# KiCad board Modem.kicad_pcb (continued)
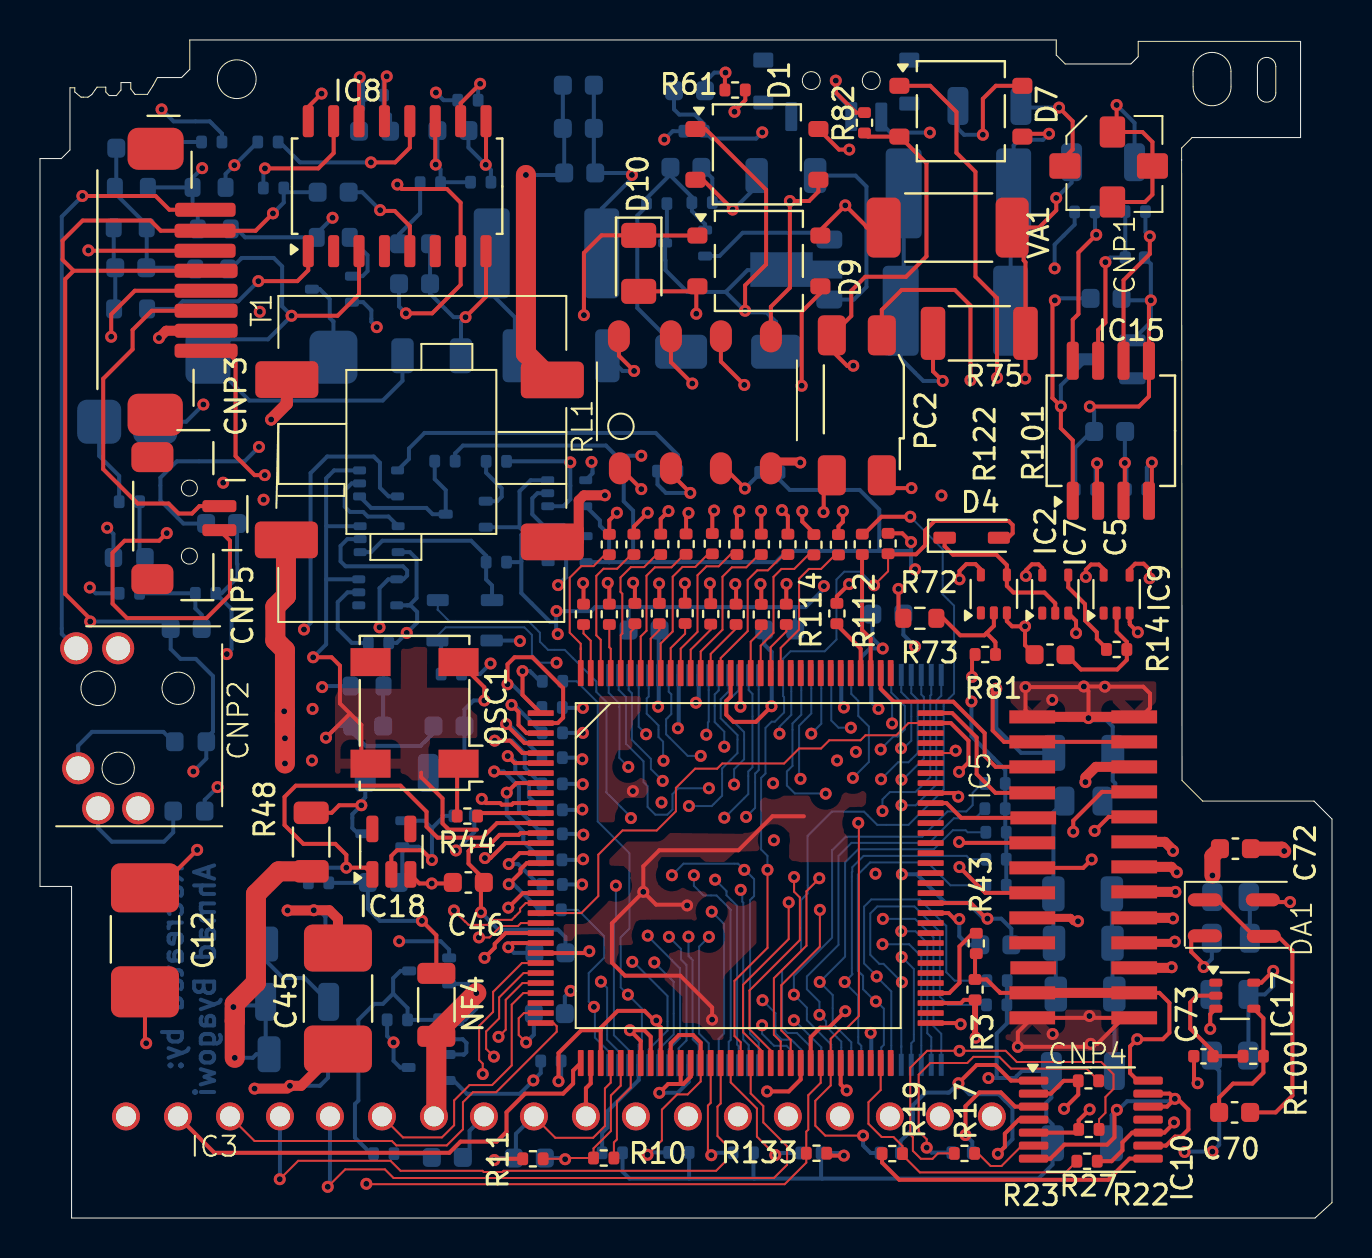
[diagram p0: board, top side]
## Nets
GND: C5.1 C23.1 C24.2 C28.1 C29.1 C30.2 C31.1 C37.2 C39#2.2 C46.1 C47.2 C48.1 C58.2 CNP3.8 CNP4.1 CNP4.13 CNP4.14 CNP4.26 IC2.3 IC4.3 IC5.10 IC5.14 IC5.19 IC5.24 IC5.43 IC5.44 IC5.76 IC5.112 IC6.3 IC7.3 IC9.3 IC10.1 IC10.4 IC10.7 IC10.9 IC10.12 IC10.13 IC11.9 IC12.24 IC13.3 IC14.3 IC16.3 IC18.3 NF4.2 OSC1.4 Q7.2 R2.1 R51.1 R67.1 R81.1
VCC_PC110: C28.2 C29.2 C30.1 CNP4.2 CNP4.25 D5.3 IC4.5 IC6.5 IC10.14 IC11.25 IC12.6 IC12.8 NF2.2 NF3.2 R3.2 R18.1 R21.1 R28.1 R29.1 R30.1 R31.1 R32.1 R36.1 R37.1 R38.1 R41.1 R43.1 R47.1 R48.2 R49.1 R72.1 R72#2.1 R90.1 R133.1
29F_A0: IC11.13 IC12.20 R111.1
29F_A1: IC11.14 IC12.19 R122.1
29F_A2: IC11.15 IC12.18 R110.1
29F_A3: IC11.16 IC12.17 R121.1
29F_A4: IC11.17 IC12.16 R109.1
29F_A5: IC11.18 IC12.15 R120.1
29F_A6: IC11.19 IC12.14 R108.1
29F_A8: IC11.30 IC12.3 R107.1
29F_A9: IC11.31 IC12.2 R118.1
29F_A10: IC11.2 IC12.31 R106.1
29F_A11: IC11.32 IC12.1 R117.1
29F_A12: IC11.21 IC12.12 R105.1
29F_A13: IC11.29 IC12.4 R116.1
29F_A14: IC11.28 IC12.11 R104.1
29F_A15: IC11.22 IC12.7 R115.1
29F_A16: IC11.23 IC12.10 R103.1
29F_A17: IC11.27 R114.1
29F_A18: IC11.24 R102.1
29F_CE#: IC11.3 R101.1
29F_DQ0: IC11.12 IC12.21 R28.2 R125.1
29F_DQ1: IC11.11 IC12.22 R29.2 R126.1
29F_DQ2: IC11.10 IC12.23 R30.2 R127.1
29F_DQ3: IC11.8 IC12.25 R31.2 R124#2.1
29F_DQ4: IC11.7 IC12.26 R32.2 R129.1
29F_DQ5: IC11.6 IC12.27 R36.2 R130.1
29F_DQ6: IC11.5 IC12.28 R37.2 R131.1
29F_DQ7: IC11.4 IC12.29 R38.2 R132.1
29F_OE#: IC11.1 IC12.32 R123.1
29F_WE#: IC11.26 IC12.5 R124.1
29FA7: IC11.20 IC12.13 R119.1
C32_1: C32.1 IC3.8
C32_2: C32.2 R76.1
C34_1: C34.1
C39_1: C39.1 R60.2
C40_2: C40.2 R62.2
C51_1: C51.1 R70.1 R71.2
C52_2: C52.2 C54.1 C56.1 D6.1 D7.2 IC15.5 PC2.3 R42.2 R82.1
C70_1: C70.1 IC17.4 R100.1
C70_2: C70.2 DA1.1 DA1.4
C72_1: C72.1 IC3.12 R99.2
C74_1: C74.1 IC17.5 R98.1
CNP2_2: CNP2.2 CNP3.3
CNP2_3: CNP2.3 L4.2
CNP3_1: CNP2.4 CNP3.1
CNP3_5: CNP3.5 R78.2
CNP3_MP1|CNP3_MP2: CNP3.MP
CNP5_1: CNP5.1 SW2.3
CNP5_2: CNP3.6 CNP5.2
CNP5_MP1|CNP5_MP2: CNP5.MP
D1_1: D1.1 D2.1 Q1.3 Q2.2 R20.1
D1_2: C15.1 D1.2 R7.2 R9.1
D2_2: C15.2 D2.2 Q1.1 R9.2 R20.2
D4_1: D4.1 IC2.4 IC7.2
D6_2: D6.2
D7_1: C54.2 D6.3 D7.1 IC15.1
D7_3: C59.1 C60.1 D7.3
DA1_2: C71.1 DA1.2 R99.1
FDC_CTS1#: CNP4.8 IC10.5 R23.2
FDC_DCD1_PC110: CNP4.4 IC5.65
FDC_DIR1#_PC110: CNP4.6 IC5.54
FDC_DSR1_PC110: CNP4.7 IC5.51
FDC_RI1_PC110: CNP4.5 IC10.2 R22.2
FDC_RTS1#_PC110: CNP4.9 IC5.53
FDC_RXD1_PC110: CNP4.10 IC5.52
FDC_TXD1_PC110: CNP4.11 IC9.4
IC2_1: IC2.1
IC3_15: IC3.15 T1.3
IC4_1: IC4.1
IC6_2: IC4.4 IC6.2
IC7_1: IC7.1
IC7_4: IC7.4 R14.1
IC8_2: IC8.2
IC8_3: IC8.3 R55.2 R56.1 R57.1
IC8_4: IC8.4
IC8_5: C2#2.1 IC8.5
IC8_6: IC8.6
IC8_7: C43.2 IC8.7 R63.2
IC8_9: C41.1 IC8.9 R68.1
IC8_10: C42.2 IC8.10 R63.1
IC8_11: C41.2 IC8.11 R62.1 R68.2
IC8_12: IC8.12 R13.1
IC8_13: C38.1 IC8.13 R59.1 R60.1
IC8_14: C38.2 IC8.14 R59.2
IC8_15: C13.1 IC8.15 R4.2
IC8_16: C12.2 IC8.16 R13.2 R58.1 R70.2
IC9_1: IC9.1
IC9_2: C5.2 IC9.2 R14.2
IC10_6: IC10.6 R17.1
IC10_8: IC10.8 R19.2
IC10_11: IC10.11
IC12_3: IC12.30 R112.1
IC13_1: IC13.1
IC13_2: C37.1 IC13.2 R24.1 R25.2
IC13_4: D8.1 IC13.4 IC16.2
IC14_1: IC14.1 Q7.3 R90.2
IC14_4: IC14.4 R46.1
IC15_2: IC15.2 R42.1
IC15_3: C52.1 IC15.3 R77.2
IC15_4: IC15.4 R77.1
IC15_6: IC15.6 R15.1
IC15_7: C56.2 IC15.7 R15.2
IC15_8: C56#2.2 IC15.8 R68#2.1 R78.1
IC16_1: D3.1 IC16.1 R2.2
IC16_4: IC14.2 IC16.4
IC17_1: IC17.1
IC17_2: C73.2 IC17.2 R100.2
IC18_2: C58.1 D5.1 D5.2 IC18.2 R49.2
IC18_4: IC18.4
IC18_5: IC18.5
IREF2: C34.2 IC5.31
J13_41_PC110: CNP4.23
J13_42_PC110: CNP4.24
KM68_NC: IC12.9
L1_1: D1.4 D7.4 D9.4 L1.2 T1.1 VA1.1
L1_2: L2.2 R12.1 R75.2 RL1.6 RL1.8 VA1.2
L3_1: C42.1 L3.1 R71.1
L3_2: CNP2.1 L3.2
L4_1: L4.1 R65.1
L5_2: CNP2.5 L5.2
MN192_S11_BUF: CNP4.22 Q4.2 R52.2
MN195_A0: IC5.128 R111.2
MN195_A1: IC5.127 R122.2
MN195_A2: IC5.126 R110.2
MN195_A3: IC5.125 R121.2
MN195_A4: IC5.124 R109.2
MN195_A5: IC5.123 R120.2
MN195_A6: IC5.122 R108.2
MN195_A7: IC5.121 R119.2
MN195_A8: IC5.120 R107.2
MN195_A9: IC5.119 R118.2
MN195_A10: IC5.118 R106.2
MN195_A11: IC5.117 R117.2
MN195_A12: IC5.116 R105.2
MN195_A13: IC5.115 R116.2
MN195_A14: IC5.114 R104.2
MN195_A15: IC5.111 R115.2
MN195_A16: IC5.110 R103.2
MN195_A17: IC5.109 R114.2
MN195_A18: IC5.108 R102.2
MN195_A19: IC5.107
MN195_A20: IC5.106
MN195_A21: IC5.105
MN195_A22: IC5.104
MN195_A23: IC5.103
MN195_ADCK#: CNP4.21 IC5.21 IC5.95
MN195_AGCIN: IC3.18 IC5.28
MN195_AGCOUT: IC3.17 IC5.27
MN195_BA: IC5.18
MN195_CX: IC5.11 R44.1
MN195_DVDD1: C23.2 C39#2.1 C46.2 C47.1 C48.2 IC5.13 IC5.25 IC5.77 IC5.113 R26.1 R33.1 R34.1
MN195_EQMD#: IC5.20
MN195_EYCY#: IC5.22
MN195_HDRES#: IC5.12 IC18.1 R51.2
MN195_HPOUT: IC3.6 IC5.29
MN195_HVDD: IC3.2 IC5.33
MN195_IREF0: IC5.38 R10.1
MN195_IREF1: C2.1 IC5.37 R10.2 R11.1
MN195_IRQ1#: CNP4.20 IC5.67 R3.1
MN195_IRQ2#: IC5.68 R43.2
MN195_IRQ3#: IC5.69
MN195_IRQ4#: IC5.70
MN195_MD0: IC5.8 R125.2
MN195_MD1: IC5.7 R126.2
MN195_MD2: IC5.6 R127.2
MN195_MD3: IC5.5 R124#2.2
MN195_MD4: IC5.4 R129.2
MN195_MD5: IC5.3 R130.2
MN195_MD6: IC5.2 R131.2
MN195_MD7: IC5.1 R132.2
MN195_MOD1,3: IC5.42 IC5.45 R41.2
MN195_MOT: IC5.93
MN195_MTA1: IC3.11 IC5.92
MN195_MTA2: IC5.91
MN195_MTA3: IC5.90
MN195_MTA4: IC5.89
MN195_MTB1: IC5.81
MN195_MTB2: IC5.80
MN195_MTB3: IC5.79
MN195_MTB4: IC5.78
MN195_PLSD: IC3.1 IC5.23
MN195_RD#: IC5.16 R123.2
MN195_RNW: IC5.17
MN195_RXL: IC3.3 IC5.32
MN195_RXLPIN: IC5.30
MN195_S0: IC5.46 IC6.1 R21.2 R92.1
MN195_S1: IC3.4 IC5.47
MN195_S2: IC4.2 IC5.48 R47.2
MN195_S3: D4.2 IC5.49 R72.2
MN195_S4: IC3.5 IC5.50
MN195_S9: IC5.55 R16.2 R22.1
MN195_S10: IC5.56 R17.2 R23.1
MN195_S11: IC5.57 Q3.1 R133.2
MN195_S12: D3.2 IC5.58 R67.2
MN195_S13: D8.2 IC5.59 R72#2.2
MN195_S14: IC5.60
MN195_S15: IC5.61
MN195_SH1#: IC5.85
MN195_SH2#: IC5.84
MN195_SH3#: IC5.83
MN195_SH4#: IC5.82
MN195_SHIN: IC3.16 IC5.26
MN195_SYNCA: IC5.9
MN195_TXLPIN: C2.2 IC3.9 IC5.36 R11.2
MN195_TXOUT: IC3.10 IC5.34
MN195_U1RCK: IC5.64
MN195_U1RD#: IC5.63 R19.1 R27.2
MN195_U1RD#_R: CNP4.3 IC10.10 R27.1
MN195_U1ST#: IC5.62
MN195_U1TCK#: IC5.66
MN195_U2RCK#: IC5.73
MN195_U2RD#: IC5.72
MN195_U2SD#: IC5.74
MN195_U2ST#: IC5.71
MN195_U2TCK#: IC5.75
MN195_UC0#: IC5.99 R101.2
MN195_UC1: IC5.100 R112.2
MN195_UC2: IC5.101
MN195_UC3: IC5.102
MN195_V8CK#: IC5.94
MN195_VIR#: IC5.97
MN195_VPCK#: CNP4.18 IC5.87
MN195_VPDA#: CNP4.19 IC5.88
MN195_VPST: IC5.86
MN195_VREEH: C45.2 IC5.39 IC5.40 R35.2
MN195_VSDA#: CNP4.17 IC5.96
MN195_VSEN#: CNP4.16 IC5.98
MN195_WR#: IC5.15 R124.2
NF1_1: NF1.1 R35.1
NF2_1: NF2.1 R26.2 R33.2 R34.2
OSC1_1: OSC1.1 R44.2
OSC1_2: C24.1 NF3.1 OSC1.2
OSC1_3: OSC1.3
PC2_1: PC2.1 R68#2.2
Pluto_Enabled_PNET5: C31.2 CNP4.12 CNP4.15 IC2.5 IC7.5 IC9.5 IC13.5 IC14.5 IC16.5 PC2.2 R25.1 RL1.1
PNET1: C57.2 IC3.13 NF1.2 Q4.3 R1.2 R48.1 R98.2
PNET4: C45.1 C57.1 C71.2 C72.2 C73.1 C74.2 DA1.3 IC3.7 IC3.14 IC5.35 IC5.41 IC17.3 NF4.1 Q3.2 R8.1 R52.1 T1.2
Q2_1: Q1.2 Q2.1 Q2.3 R7.1
Q3_3: Q3.3 Q4.1 R1.1 R8.2 R76.2
Q7_1: Q7.1 R92.2
Q9_1: Q9.1 R6.1
R6_2: R5.1 R6.2
R12_2: C62.2 R12.2
R16_1: IC10.3 R16.1
R24_2: CNP3.7 R24.2
R54_1: D9.1 D10.1 IC8.1 Q9.2 R5.2 R50.1 R54.1 R58.2
R54_2: C26.2 R53.2 R54.2
R55_1: Q9.3 R55.1
R56_2: C2#2.2 C12.1 C40.1 C43.1 C51.2 CNP3.2 CNP3.4 D9.2 D10.2 IC8.8 L5.1 R4.1 R56.2
R57_2: C26.1 C39.2 R50.2 R53.1 R57.2
R61_2: C56#2.1 R61.2
R65_2: C13.2 R65.2
R73_2: IC2.2 R73.2 R81.2
R75_1: C59.2 C60.2 R75.1
R82_2: R61.1 R82.2 SW2.2
RL1_2: R46.2 RL1.2
RL1_3: R18.2 RL1.3
RL1_4: IC6.4 RL1.4
RL1_5: C1.1 C3.1 C4.1 C62.1 D1.3 RL1.5
RL1_7: D9.3 RL1.7
SW2_1: SW2.1
SW2_MP1|SW2_MP2|SW2_MP3|SW2_MP4: SW2.MP
T1_4: C1.2 C3.2 C4.2 T1.4
TEL_GND: CNP1.2 CNP1.3 CNP1.4 L2.1
TEL_Line: CNP1.1 L1.1
TLP124_4: PC2.4 R73.1

## Via types
v1: diameter 0.6, hole 0.3, FC to BC, 344 vias

## Routing (per net, layer and track width the routed paths; a pad name or vN(x,y) marks a point on that pad's centre or on a via; arc(x,y) is an arc through that point)
GND: length 239.1
  FC w0.2: v1(22.25,18) 22.53,18 23.28,18.75 IC5.14 ; v1(23.42,15.52) 24.15,16.25 IC5.19 ; 15.48,25.25 15.48,25.21 v1(14.3,24.02) ; 38.2,20.09 36.63,20.09 34.93,18.39 30.97,18.39 30.17,17.59 v1(30.17,16.31) ; IC10.12 56.36,5.57 v1(56.75,5.96) ; v1(30.17,16.31) 30.81,15.67 32.32,15.67 v1(32.36,15.63) ; v1(30.17,16.31) 28.6,14.74 28.6,12.77 29.25,12.12 32.02,12.12 33.61,10.53 v1(33.61,9.92) ; v1(30.97,6.26) 31.41,6.7 32.06,6.7 ; v1(47.9,3.21) 48.25,3.56 48.25,4.22 48.95,4.92 IC10.4 ; v1(51.81,29.25) 51.81,29.86 IC7.3 ; NF4.2 19.82,14.14 v1(19.1,14.86) ; v1(52.43,25) 52.43,26.35 v1(52.2,26.58) ; v1(52.43,25) 52.49,25.06 ; v1(52.43,25) 52.37,25.06 ; v1(45.93,6.74) 46.84,7.65 47.78,7.65 48.56,6.87 IC10.1 ; C5.1 49.26,28.65 v1(49.26,29.59) 48.61,29.59 48.35,29.85 IC2.3 ; CNP4.14 49.28,25.4 v1(49.28,26.55) 52.17,26.55 v1(52.2,26.58) ; v1(56.75,5.96) 56.89,5.96 57.43,5.42 57.43,4.43 57.07,4.07 56.76,4.07 56.31,3.62 IC10.9 ; v1(56.75,5.96) 56.49,6.22 IC10.13 ; R81.1 46.61,28.03 v1(46.61,27.06) ; v1(52.2,26.58) 53.24,26.58 v1(53.25,26.57) 55.17,26.57 55.51,26.23 55.51,25.51 55.06,25.06 CNP4.13 ; v1(13.66,28.04) 14.58,28.04 15,27.62 15,25.73 16.07,24.66 16.07,23.18 OSC1.4 ; IC9.3 54.49,29.8 54.5,29.79 54.5,29.69 v1(54.9,29.29) ; v1(45.97,14.95) 45.73,14.95 45.43,15.25 IC5.76 ; 32.06,6.7 32.17,6.7 32.54,7.07 IC5.44 ; 32.06,6.7 32.04,6.72 IC5.43 32.02,7.73 ; 19.06,22.27 19.06,22.05 20.13,20.98 20.13,19.73 20.44,19.42 21.85,19.42 ; IC10.7 50.53,2.97 51.23,3.67 53.37,3.67 53.73,4.03 53.73,5.29 v1(53.85,5.41) ; v1(11.24,37.15) 10.73,37.15 9.78,38.1 9.78,42.88 9.29,43.37 CNP3.8 ; v1(35.03,25.57) 35.03,27.24 IC5.112 ; IC5.10 23.67,20.75 23.59,20.67 23.09,20.67 23.01,20.75 22.3,20.75 v1(22.09,20.96) ; v1(23.42,13.54) 23.63,13.75 IC5.24 ; C46.1 20.59,16.73 v1(19.59,16.73) 18.97,16.73 IC18.3 ; 48.9,9.29 CNP4.26 52.39,10.01 v1(52.48,10.1) 52.57,10.01 CNP4.1 54.18,10.01 52.88,8.71 v1(52.54,8.71) 52.39,8.56 v1(48.9,8.56) 48.9,9.29
  FC w0.5: 52.37,25.06 CNP4.14 ; CNP4.13 52.49,25.06
  IC1 w0.2: v1(11.24,37.15) 13.5,37.15 14.78,35.87 14.78,31.6 15.25,31.13
  IC1 w0.8: v1(25.89,29.2) 25.83,29.26 25.83,29.73 ; 25.83,29.73 25.44,29.73 24.04,31.13 15.25,31.13 14.73,30.61 14.73,28.48 14.29,28.04 v1(13.66,28.04) ; 25.83,29.73 v1(25.83,30.35)
  IC1 w1: 14.29,28.04 14.61,28.36
  BC w0.2: R51.1 16.38,16.76 C58.2 16.39,15.47 17,14.86 v1(19.1,14.86) ; 23.98,34.54 23.98,36.34 24.54,36.9 IC6.3 ; 23.98,34.54 23.97,34.55 Q7.2 ; 23.98,34.54 24.2,34.32 24.2,34.29 ; 37.74,30.55 38.29,30.55 39.2,31.46 v1(39.2,31.6) ; 37.74,30.55 37.76,30.53 C48.1 ; 37.74,30.55 29.43,30.55 ; 25.81,29.81 25.81,30.33 v1(25.83,30.35) 27.56,30.35 27.76,30.55 29.43,30.55 ; 25.81,29.81 25.51,29.81 24.07,31.25 24.07,32.83 ; 25.81,29.81 25.81,29.28 v1(25.89,29.2) ; v1(56.75,5.96) 56.63,5.84 54.36,5.84 53.93,5.41 v1(53.85,5.41) 53.59,5.15 53.59,3.74 ; R67.1 43.03,3.85 43.65,4.47 43.65,5.64 44.28,6.27 45.46,6.27 v1(45.93,6.74) 46.48,6.19 47.94,6.19 48.63,5.5 48.63,3.94 v1(47.9,3.21) ; 24.2,34.29 24.07,34.16 24.07,32.83 ; 24.2,34.29 24.39,34.1 IC4.3 ; 29.43,30.55 29.44,30.55 C30.2 ; v1(13.66,28.04) 14.31,28.69 14.31,31.93 ; 24.07,32.83 24.04,32.8 R2.1 ; 14.31,31.93 14.32,31.94 IC13.3 ; 14.31,31.93 14.31,34.61 ; 14.31,34.61 14.31,36.99 14.71,37.39 IC14.3 ; 14.31,34.61 14.32,34.6 IC16.3 ; C24.2 19.67,24.26 19.03,23.61 16.29,23.61 15.62,24.29 C37.2 14.88,24.6 v1(14.3,24.02) ; C39#2.2 23.7,13.26 v1(23.42,13.54) ; v1(41.54,9.26) 41.57,9.23 IC11.9 ; 47.03,13.66 46.4,13.66 45.97,14.09 v1(45.97,14.95) ; 43.17,30.2 43.17,29.17 v1(43.76,28.58) ; v1(52.43,25) 52.54,24.89 53.33,24.89 53.64,24.58 C31.1 53.64,21.87 53.77,21.74 53.77,21.49 C23.1 ; IC12.24 32.44,6.81 31.89,6.26 v1(30.97,6.26)
  vias: v1(29.65,21.35) v1(50.62,25.91) v1(50.64,9.2)
VCC_PC110: length 164.8
  FC w0.2: v1(40.2,3.12) 39.46,3.12 R133.1 ; R72.1 43.12,34.24 v1(43.56,33.8) ; CNP4.25 48.03,11.26 ; 48.03,11.26 47.95,11.34 ; 48.03,11.26 48.01,11.26 47.34,11.93 R3.2 46.76,13.16 R43.1 ; v1(16.07,20.64) 14.96,20.64 14.58,20.26 R48.2 ; IC10.14 54.89,6.87 54.51,7.25 54.51,8.58 v1(54.87,8.94) 56.15,8.94 56.48,9.27 56.48,10.76 55.98,11.26 CNP4.2
  FC w0.5: CNP4.25 CNP4.2
  IC1 w1: v1(42.14,28.48) 44.79,25.83 v1(46.58,25.83)
  IC2 w0.5: v1(42.14,28.48) 42.14,29.46 42.82,30.14 43.36,30.14 43.76,30.54 v1(43.76,32.44) 43.56,32.64 v1(43.56,33.8) 42.71,33.8 42.25,34.26 42.25,35.7 41.41,36.54 37.14,36.54 35.92,37.76 30.43,37.76 v1(30.07,38.12)
  BC w0.2: NF3.2 16.26,21.04 16.16,20.93 16.16,20.73 v1(16.07,20.64) 15.62,20.19 15.62,19.5 15.9,19.22 D5.3 ; R18.1 37.01,36.89 37.49,36.41 40.99,36.41 41.97,35.43 41.97,33.36 ; 35.71,1.97 39.11,1.97 ; 35.71,1.97 32.46,1.97 ; 35.71,1.97 35.68,2 R21.1 ; 39.11,1.97 49.93,1.97 50.63,2.68 C28.2 50.63,4.68 50.32,4.99 50.32,5.76 50.57,6.02 50.57,7.35 49.1,7.35 48.75,7 47.84,7 ; 39.11,1.97 39.06,2.02 R47.1 40.07,3.25 v1(40.2,3.12) ; 28.45,32.8 29.66,32.8 ; 28.45,32.8 28.46,32.79 28.46,34.16 28,34.62 28,34.89 IC6.5 ; 28.45,32.8 IC4.5 ; 29.66,32.8 29.66,35.37 29.19,35.84 29.19,38.12 ; 29.66,32.8 36.8,32.8 37.36,33.36 41.97,33.36 ; 43.56,33.36 43.56,32.64 v1(43.76,32.44) ; 43.56,33.36 v1(43.56,33.8) ; 43.56,33.36 41.97,33.36 ; IC12.8 31.94,24.53 v1(31.9,24.49) ; R72#2.1 22,27.2 v1(22.53,27.73) ; R38.1 29.13,2.32 29.48,1.97 32.46,1.97 ; R30.1 R31.1 R32.1 48.27,19.34 R36.1 R37.1 48.27,22.41 46.58,24.1 v1(46.58,25.83) ; 47.84,7 47.84,9.22 48.35,9.73 R28.1 48.35,11.85 R29.1 ; 47.84,7 v1(47.43,7) ; 29.19,38.12 v1(30.07,38.12) ; 29.19,38.12 28.81,38.12 28.3,38.63 21.15,38.63 20.76,38.24 R90.1 ; v1(30.91,25.57) 30.94,25.6 IC12.6 30.94,29.36 C30.1 ; 32.46,1.97 R41.1 ; R49.1 21.72,19.3 v1(20.8,18.38) ; IC11.25 41.07,28.05 41.5,28.48 v1(42.14,28.48) 41.62,29 C29.2
29F_A0: length 49.8
  FC w0.2: R111.1 28.47,34.89 v1(28.85,35.27)
  IC1 w0.1: v1(43.09,13.05) 42.59,13.05 42.55,13.09 41.65,13.09 40.96,13.78 36.28,13.78 33.83,16.23 33.24,16.23 32.7,16.77 v1(32.7,17.14)
  IC2 w0.1: v1(32.7,17.14) 32.7,17.89 30.22,20.37 30.22,22.86 29.23,23.85 29.23,30.66 29.01,30.88 29.01,32.16 28.85,32.32 v1(28.85,35.27)
  BC w0.1: IC12.20 34.44,8.81 34.54,8.91 34.54,15.42 33.83,16.13 33.18,16.13 32.7,16.61 v1(32.7,17.14) ; v1(43.09,13.05) 43.1,13.05 43.7,12.45 43.7,8.87 43.57,8.74 43.57,8.44 ; 43.57,8.44 43.57,8.61 ; 43.57,8.44 IC11.13
29F_A1: length 47.9
  FC w0.2: v1(27.16,31.75) 27.18,31.73 R122.1
  IC1 w0.1: v1(42.13,13.69) 41.82,13.69 41.42,14.09 36.44,14.09 34.48,16.05 34.48,16.42 33.98,16.92 v1(33.76,16.92)
  IC2 w0.1: v1(27.16,31.75) 27.16,30.59 28.22,29.53 28.22,19.51 31.14,16.59 33.34,16.59 33.67,16.92 v1(33.76,16.92)
  BC w0.1: IC11.14 44.07,13.08 43.46,13.69 v1(42.13,13.69) ; v1(33.76,16.92) 34.33,16.35 34.33,16.14 34.86,15.61 34.86,8.67 34.94,8.59 IC12.19
29F_A2: length 47.8
  FC w0.2: R110.1 29.7,34.58 v1(30.39,35.27)
  IC1 w0.1: v1(43.07,14.34) 43.04,14.37 41.96,14.37 41.9,14.43 37.02,14.43 v1(35.04,16.41)
  IC2 w0.1: v1(30.39,35.27) 30.39,32.46 30.31,32.38 30.31,25.29 30.93,24.67 30.93,24.21 31.77,23.37 31.77,20.39 34.44,17.72 34.44,17.1 35.04,16.5 v1(35.04,16.41)
  BC w0.1: v1(43.07,14.34) 43.78,14.34 44.37,13.75 44.37,9.24 44.57,9.04 IC11.15 ; 35.44,8.39 35.44,8.49 ; 35.44,8.39 IC12.18 ; 35.44,8.39 35.44,8.65 35.17,8.92 35.17,15.77 35.12,15.82 35.12,16.33 v1(35.04,16.41)
29F_A3: length 49.4
  FC w0.2: v1(28.39,31.76) 28.47,31.68 R121.1
  IC1 w0.1: v1(35.22,17.41) 35.3,17.41 35.8,16.91 35.8,16.44 37.47,14.77 41.44,14.77 41.63,14.96 v1(42.15,14.96)
  IC2 w0.1: v1(28.39,31.76) 28.39,30.42 28.6,30.21 28.6,19.61 31.07,17.14 v1(31.6,17.14)
  BC w0.1: v1(42.15,14.96) 43.76,14.96 44.68,14.04 44.68,9.6 45.07,9.21 IC11.16 ; IC12.17 35.94,8.79 35.51,9.22 35.51,15.9 35.71,16.1 35.71,16.95 35.25,17.41 v1(35.22,17.41) 34.91,17.72 32.18,17.72 v1(31.6,17.14)
29F_A4: length 42.5
  FC w0.2: R109.1 31.04,34.96 v1(31.43,35.35)
  IC1 w0.1: v1(35.31,20.06) 36.07,20.06 36.34,20.33 40.12,20.33 40.48,20.69 41.54,20.69 41.82,20.97 42.75,20.97 v1(43.08,20.64)
  IC2 w0.1: v1(35.31,20.06) 35.31,20.11 34.57,20.85 33.2,20.85 32.82,21.23 32.82,22.09 32.46,22.45 32.46,24.24 32.59,24.37 32.59,24.93 32.04,25.48 32.04,30.36 31.57,30.83 31.57,32.24 31.43,32.38 v1(31.43,35.35)
  BC w0.1: IC12.16 35.94,22.4 35.76,22.22 35.76,20.51 v1(35.31,20.06) ; IC11.17 45.07,26.12 44.82,25.87 44.82,21.67 43.79,20.64 v1(43.08,20.64)
29F_A5: length 41
  FC w0.2: R120.1 29.75,31.68 v1(29.66,31.77)
  IC1 w0.1: v1(42.13,20.35) 40.59,20.35 40.24,20 36.48,20 35.93,19.44 34.91,19.44 34.33,20.02 v1(34.22,20.02) 31.82,20.02 31.08,20.76 v1(31.08,20.78)
  IC2 w0.1: v1(29.66,31.77) 29.66,23.95 30.52,23.09 30.52,21.34 v1(31.08,20.78)
  BC w0.1: v1(34.22,20.02) 34.24,20.02 35.42,21.2 35.42,22.33 35.63,22.54 35.63,26.21 35.44,26.4 IC12.15 ; v1(42.13,20.35) 42.13,20.93 42.5,21.3 43.78,21.3 44.52,22.04 44.52,26.12 44.57,26.17 IC11.18
29F_A6: length 39
  FC w0.2: R108.1 32.31,35.14 v1(32.43,35.26)
  IC1 w0.1: v1(43.08,21.92) 43.08,22.06 42.59,22.55 41.87,22.55 41.44,22.12 41.44,21.74 41.06,21.36 40.22,21.36 39.76,21.82 39.04,21.82 38.61,21.39 37.01,21.39 v1(36.66,21.74) 34.77,21.74 v1(34.71,21.68)
  IC2 w0.1: v1(36.66,21.74) 36.66,23.55 36.43,23.78 36.43,24.58 37.18,25.33 37.18,26.35 32.87,30.66 32.87,32.03 32.43,32.47 v1(32.43,35.26)
  BC w0.1: IC12.14 34.94,26.39 34.36,25.81 34.36,25.15 35.21,24.3 35.21,22.94 34.71,22.44 v1(34.71,21.68) ; IC11.19 44.07,26.18 44.2,26.05 44.2,22.97 43.15,21.92 v1(43.08,21.92)
29F_A8: length 35.1
  FC w0.2: R107.1 33.62,35.29 v1(33.71,35.38)
  IC1 w0.1: v1(38.03,21.96) 37.61,22.38 34.18,22.38 34,22.2 31.49,22.2 31.15,21.86 v1(31.14,21.86)
  IC2 w0.1: v1(38.03,21.96) 38.03,23.47 37.84,23.66 37.84,26.67 34.14,30.37 34.14,32.14 33.71,32.57 v1(33.71,35.38)
  BC w0.1: IC11.30 38.57,25.23 37.96,24.62 37.96,22.03 v1(38.03,21.96) ; IC12.3 29.44,26.4 29.6,26.24 29.6,23.91 30.55,22.96 30.55,22.45 v1(31.14,21.86)
29F_A9: length 38.3
  FC w0.2: R118.1 32.26,31.73 v1(32.25,31.74)
  IC1 w0.1: v1(39.29,21.22) 39.02,21.22 38.85,21.05 33.89,21.05 v1(33.45,21.49)
  IC2 w0.1: v1(33.45,21.49) 34.86,22.9 34.86,24.2 34.33,24.73 34.33,28.59 32.25,30.67 v1(32.25,31.74)
  BC w0.1: v1(39.29,21.22) 39.28,21.23 37.75,21.23 37.35,21.63 37.35,22.33 37.63,22.61 37.63,24.73 38.07,25.17 IC11.31 ; IC12.2 28.94,26.41 29.3,26.05 29.3,23.72 30.18,22.84 30.18,21.8 30.38,21.6 30.38,20.56 30.77,20.17 31.37,20.17 31.63,20.43 31.63,21.2 31.92,21.49 v1(33.45,21.49)
29F_A10: length 46.1
  FC w0.2: R106.1 34.85,35.23 v1(34.97,35.35)
  IC1 w0.1: v1(36.13,10.89) 35.54,10.89 35.19,11.24 30.88,11.24 30.3,11.82 v1(28.05,11.82)
  IC2 w0.1: v1(34.97,35.35) 34.95,35.33 34.95,32.63 35.37,32.21 35.37,30.11 38.91,26.57 38.91,24.9 39.24,24.57 39.24,22.21 38.2,21.17 38.2,18.97 37.06,17.83 37.06,17.13 36.38,16.45 36.38,11.14 v1(36.13,10.89)
  BC w0.1: IC11.2 38.07,8.42 37.57,8.92 37.09,8.92 36.78,9.23 36.78,10.24 v1(36.13,10.89) ; IC12.31 28.94,8.33 28.36,8.91 28.36,11.51 v1(28.05,11.82)
29F_A11: length 27.5
  FC w0.2: v1(33.5,31.74) 33.54,31.7 R117.1
  IC1 w0.1: v1(29.42,22.56) 29.74,22.56 30.85,23.67 32.17,23.67 32.67,24.17 32.67,24.44 33.03,24.8 33.96,24.8 34.2,24.56 36.64,24.56 v1(36.98,24.22)
  IC2 w0.1: v1(33.5,31.74) 33.5,30.55 37.48,26.57 37.48,24.72 v1(36.98,24.22)
  BC w0.1: v1(36.98,24.22) 36.98,24.57 37.57,25.16 IC11.32 ; v1(29.42,22.56) 28.97,23.01 28.97,25.73 28.44,26.26 IC12.1
29F_A12: length 33
  FC w0.2: R105.1 36.07,35.35 v1(36.06,35.36)
  IC1 w0.1: v1(43.06,23.49) 42.45,24.1 41.57,24.1 40.77,23.3 40.77,23.36 40.5,23.63 39.66,23.63 39.39,23.36 36.4,23.36 36.19,23.57 v1(34.22,23.57)
  IC2 w0.1: v1(40.8,23.31) 40.78,23.31 39.91,24.18 39.91,24.96 39.58,25.29 39.58,27.05 36.67,29.96 36.67,32.18 36.05,32.8 36.05,35.35 v1(36.06,35.36)
  BC w0.1: v1(43.06,23.49) 43.19,23.49 43.57,23.87 43.57,25.8 43.07,26.3 IC11.21 ; IC12.12 33.94,26.38 33.74,26.18 33.74,24.8 34.22,24.32 v1(34.22,23.57)
29F_A13: length 25.3
  FC w0.2: R116.1 34.81,31.66 v1(34.77,31.7)
  IC1 w0.1: v1(30.31,24.19) 30.37,24.19 30.86,24.68 30.97,24.68 31.41,25.12 34.41,25.12 34.63,24.9 37.89,24.9 v1(38.57,24.22)
  IC2 w0.1: v1(38.57,24.22) 38.57,26.44 34.77,30.24 v1(34.77,31.7)
  BC w0.1: IC11.29 39.07,24.72 v1(38.57,24.22) ; v1(30.31,24.19) 29.94,24.56 IC12.4
29F_A14: length 28.2
  FC w0.2: R104.1 37.4,35.1 v1(37.1,35.4)
  IC1 w0.1: v1(40.55,24.52) 39.96,24.52 39.11,23.67 36.64,23.67 36.08,24.23 33.38,24.23 v1(33.32,24.17)
  IC2 w0.1: v1(40.55,24.52) 40.86,24.83 40.86,26.83 37.94,29.75 37.94,32.07 37.1,32.91 v1(37.1,35.4)
  BC w0.1: IC12.11 33.44,24.82 33.4,24.78 33.4,24.25 v1(33.32,24.17) ; v1(40.55,24.52) 39.93,24.52 39.57,24.88 IC11.28
29F_A15: length 30.9
  FC w0.2: v1(36.03,31.7) 36.07,31.66 R115.1
  IC1 w0.1: v1(42.04,23.43) 41.27,22.66 40.08,22.66 v1(39.86,22.88) 39.44,22.88 39.31,23.01 33.76,23.01 33.66,23.11 v1(33.04,23.11)
  IC2 w0.1: v1(36.03,31.7) 36.03,30.06 39.24,26.85 39.24,25.11 39.59,24.76 39.59,23.99 39.84,23.74 39.84,23.59 ; v1(39.86,22.88) 39.84,22.88 39.84,23.59 ; 39.84,23.59 39.84,23.65
  BC w0.1: IC12.7 31.44,26.32 31.57,26.19 31.57,25.2 31.31,24.94 31.31,24.19 32.39,23.11 v1(33.04,23.11) ; IC11.22 42.57,26.28 43.25,25.6 43.25,24.44 42.89,24.08 42.68,24.08 42.04,23.44 v1(42.04,23.43)
29F_A16: length 30.8
  FC w0.2: R103.1 38.7,34.25 38.12,34.83 v1(38.12,35.34)
  IC1 w0.2: v1(42.61,24.73) 42.61,26.13 42.19,26.55 33.68,26.55 32.9,25.77 v1(32.8,25.77)
  IC2 w0.1: v1(42.61,24.73) 41.77,24.73 41.27,25.23 41.27,26.97 38.56,29.68 38.56,31.94 38.12,32.38 v1(38.12,35.34)
  BC w0.1: v1(42.61,24.73) 42.61,25.8 42.07,26.34 IC11.23 42.07,26.5
  BC w0.2: v1(32.8,25.77) 32.94,25.91 IC12.10
29F_A17: length 10.2
  FC w0.2: R114.1 37.32,31.7 v1(37.33,31.71)
  IC2 w0.1: 40.2,26.25 40.2,26.97 37.33,29.84 v1(37.33,31.71) ; 40.2,26.25 40.2,26.34 ; 40.2,26.25 v1(40.2,25.53)
  BC w0.2: IC11.27 40.07,25.66 v1(40.2,25.53)
29F_A18: length 14
  FC w0.2: R102.1 39.93,34.59 40.15,34.81 v1(40.15,35.35)
  IC2 w0.1: v1(41.93,25.46) 41.93,26.83 39.84,28.92 39.84,32.11 40.15,32.42 v1(40.15,35.35)
  BC w0.2: IC11.24 41.57,25.81 41.84,25.54 41.84,25.5 41.88,25.46 v1(41.93,25.46)
29F_CE#: length 38.7
  FC w0.2: R101.1 41.21,34.2 42.08,35.07 v1(43.52,35.07)
  BC w0.1: v1(43.52,35.07) 45.14,33.45 45.14,31.19 45.71,30.62 45.71,26.23 45.19,25.71 45.19,21.42 43.43,19.66 41.87,19.66 41.21,20.32 39.6,20.32 38.39,19.11 38.39,16.23 38.06,15.9 38.06,13.35 37.11,12.4 37.11,9.52 37.38,9.25 37.85,9.25 38.57,8.53 IC11.3
29F_DQ0: length 46.1
  IC1 w0.1: v1(33.59,15.32) 33.83,15.32 35.7,13.45 40.74,13.45 41.4,12.79 42.44,12.79 43.1,12.13 v1(43.1,11.79)
  IC2 w0.1: v1(33.59,15.32) 32.68,16.23 31.06,16.23 29.35,17.94 v1(27.16,17.94)
  BC w0.1: 43.07,8.55 43.07,11.76 v1(43.1,11.79) 42.18,12.71 41.97,12.71 41.52,13.16 41.52,15.23 41.87,15.58 43.73,15.58 45,14.31 45,11.07 45.41,10.66 R28.2 ; 43.07,8.55 IC11.12 ; 43.07,8.55 43.07,8.62 ; IC12.21 33.94,8.96 34.21,9.23 34.21,14.7 v1(33.59,15.32)
  BC w0.2: v1(27.16,17.94) 27.13,17.91 R125.1
29F_DQ1: length 45.9
  IC1 w0.1: v1(33.45,14.06) 34.36,13.15 40.55,13.15 41.62,12.08 v1(41.84,12.08)
  IC2 w0.1: v1(33.45,14.06) 32.56,14.95 32.02,14.95 31.31,15.66 27.27,15.66 26.47,16.46 26.47,18.47 v1(27.17,19.17)
  BC w0.1: IC12.22 33.44,8.74 32.96,9.22 32.96,13.57 v1(33.45,14.06) ; R29.2 45.74,11.87 45.32,12.29 45.32,14.61 45.31,14.61 43.99,15.93 41.57,15.93 41.21,15.57 41.21,12.73 41.84,12.1 v1(41.84,12.08) 41.84,12.06 42.57,11.33 IC11.11
  BC w0.2: R126.1 27.13,19.21 v1(27.17,19.17)
29F_DQ2: length 47.8
  IC1 w0.1: v1(41.8,10.83) 40.98,11.65 40.98,12.19 40.32,12.85 33.65,12.85 v1(32.43,14.07)
  IC2 w0.1: v1(27.12,20.43) 26.18,19.49 26.18,18.61 26.17,18.59 26.17,16.34 26.18,16.32 26.18,16.3 27.15,15.33 31.17,15.33 v1(32.43,14.07)
  BC w0.1: v1(32.43,14.07) 32.43,13.11 32.64,12.9 32.64,8.94 32.94,8.64 IC12.23 ; 46.6,16.64 45.53,16.64 44.39,17.78 41.51,17.78 40.9,17.17 40.9,12.37 41.16,12.11 41.16,11.44 41.77,10.83 v1(41.8,10.83) 41.84,10.83 42.2,10.47 42.2,8.66 42.07,8.53 IC11.10 ; 46.6,16.64 46.48,16.64 ; 46.6,16.64 R30.2
  BC w0.2: R127.1 27.1,20.41 v1(27.12,20.43)
29F_DQ3: length 47.6
  IC1 w0.1: v1(31.45,14.06) 31.58,14.06 33.09,12.55 39.47,12.55 40.22,11.8 v1(40.24,11.8)
  IC2 w0.1: v1(31.45,14.06) 31.45,14.08 30.53,15 27.05,15 25.86,16.19 25.86,16.19 25.82,16.24 25.82,20.37 v1(27.14,21.69)
  BC w0.1: IC11.8 41.07,8.61 40.92,8.76 40.92,11.1 40.24,11.78 v1(40.24,11.8) 40.62,12.18 40.62,12.22 40.6,12.25 40.6,17.29 40.62,17.32 40.62,17.54 41.19,18.11 46.33,18.11 46.5,17.94 R31.2 ; v1(31.45,14.06) 32.05,13.46 32.05,12.93 32.33,12.65 32.33,8.88 31.94,8.49 IC12.25
  BC w0.2: v1(27.14,21.69) 27.12,21.71 R124#2.1
29F_DQ4: length 50.3
  IC1 w0.1: v1(30.39,14.12) 30.54,14.12 32.44,12.22 38.57,12.22 v1(38.99,11.8)
  IC2 w0.1: v1(27.12,22.94) 25.52,21.34 25.52,20.5 25.52,20.49 25.52,20.24 25.43,20.16 25.43,16.2 25.52,16.11 25.52,16.1 26.93,14.7 29.81,14.7 v1(30.39,14.12)
  BC w0.1: IC11.7 40.57,8.79 39.64,9.72 39.64,11.15 v1(38.99,11.8) 40.26,13.07 40.26,17.78 40.92,18.44 44.7,18.44 45.65,19.39 46.29,19.39 46.39,19.29 R32.2 ; v1(30.39,14.12) 30.39,14.1 32.01,12.48 32.01,9 31.44,8.43 IC12.26
  BC w0.2: R129.1 27.04,23.02 v1(27.12,22.94)
29F_DQ5: length 52.9
  IC1 w0.1: v1(30.72,12.78) 31.58,11.92 38.03,11.92 38.46,11.49 38.46,10.94 38.98,10.42 v1(38.98,10.16)
  IC2 w0.1: v1(30.72,12.78) 29.13,14.37 26.83,14.37 25.13,16.07 25.13,22.33 27.06,24.26 v1(27.15,24.26)
  BC w0.1: v1(30.72,12.78) 31.69,11.81 31.69,9.18 30.94,8.43 IC12.27 ; R36.2 46.77,19.99 45.7,19.99 44.47,18.76 40.58,18.76 39.93,18.11 39.93,13.66 38.35,12.08 38.35,11.44 38.98,10.81 v1(38.98,10.16) 39.31,9.83 39.31,9.58 40.07,8.82 IC11.6
  BC w0.2: 27.14,24.27 v1(27.15,24.26) R130.1
29F_DQ6: length 54.5
  IC1 w0.1: v1(29.62,12.81) 29.86,12.81 31.08,11.59 37.28,11.59 v1(37.7,11.17)
  IC2 w0.1: v1(29.62,12.81) 28.37,14.06 26.63,14.06 24.84,15.85 24.84,15.93 24.83,15.94 24.83,22.45 24.84,22.47 24.84,23.2 v1(27.15,25.51)
  BC w0.1: v1(29.62,12.81) 29.67,12.81 31.38,11.1 31.38,9.37 30.44,8.43 IC12.28 ; R37.2 47.11,21.73 46.64,21.26 46.64,20.65 46.32,20.33 45.38,20.33 44.12,19.07 40.29,19.07 39.61,18.39 39.61,14.02 37.7,12.11 v1(37.7,11.17) 38.35,10.52 38.35,9.89 39.57,8.67 IC11.5
  BC w0.2: R131.1 26.14,25.51 v1(27.15,25.51) 27.13,25.53
29F_DQ7: length 38.4
  IC1 w0.1: v1(29.4,11.17) 30.37,11.17 30.62,10.92 35,10.92 35.66,10.26 37.33,10.26 v1(37.7,9.89)
  BC w0.1: IC11.4 39.07,8.54 37.72,9.89 v1(37.7,9.89) ; R132.1 26.83,26.84 27.89,25.78 27.89,19.83 29.47,18.25 29.47,14.47 29.04,14.04 29.04,11.53 v1(29.4,11.17) 30.1,10.47 30.1,8.83 29.94,8.67 IC12.29
  BC w0.2: R38.2 28.11,4.26 28.38,4.53 28.38,5.34 29.94,6.9 IC12.29
29F_OE#: length 21.6
  IC1 w0.1: v1(36.11,9.64) 35.73,9.64 34.81,10.56 v1(27.7,10.56)
  BC w0.1: v1(36.11,9.64) 36.11,9.21 36.71,8.61 37.33,8.61 37.57,8.37 IC11.1 ; R123.1 26.9,15.41 28.21,14.1 28.21,13.02 27.44,12.25 27.44,10.82 v1(27.7,10.56) 27.75,10.51 27.75,9.02 28.44,8.33 IC12.32
29F_WE#: length 29.8
  IC1 w0.1: v1(27.11,16.68) 27.11,16.79 28.94,18.62 28.94,20.26 29.42,20.74 30.16,20.74 30.48,21.06 30.48,22.02 31.18,22.72 v1(31.18,22.87) 31.28,22.87 31.62,22.53 33.69,22.53 33.84,22.68 38.7,22.68 39.15,22.23 39.9,22.23 40.12,22.01 v1(40.65,22.01)
  BC w0.1: v1(31.18,22.87) 31.16,22.89 31.16,23.82 30.93,24.05 30.93,24.63 30.34,25.22 30.34,25.98 30.44,26.08 IC12.5 ; IC11.26 40.57,26.21 40.92,25.86 40.92,25.11 41.45,24.58 41.45,22.81 v1(40.65,22.01)
  BC w0.2: R124.1 v1(27.11,16.68)
29FA7: length 38.4
  FC w0.2: v1(30.96,31.73) 30.97,31.72 R119.1
  IC1 w0.1: v1(42.06,21.94) 42.06,21.83 41.26,21.03 40.34,21.03 39.97,20.66 38.74,20.66 38.66,20.74 33.49,20.74 33.35,20.6 v1(32.45,20.6)
  IC2 w0.1: v1(30.96,31.73) 30.96,30.88 31.58,30.26 31.58,25.28 31.31,25.01 31.31,24.27 32.1,23.48 32.1,22.22 32.45,21.87 v1(32.45,20.6)
  BC w0.1: v1(42.06,21.94) 42.91,22.79 43.43,22.79 43.89,23.25 43.89,25.92 43.57,26.24 IC11.20 ; IC12.13 34.44,26.34 34.04,25.94 34.04,24.99 34.88,24.15 34.88,23.25 34.11,22.48 34.11,21.12 33.59,20.6 v1(32.45,20.6)
C32_1: length 2.5
  BC w0.2: IC3.8 21.48,4.36 21.48,3.37 C32.1
C32_2: length 2
  BC w0.2: R76.1 19.41,3.22 C32.2
C34_1: length 1.3
  BC w0.2: C34.1 26.25,11.08 v1(26.53,11.36)
C39_1: length 2.8
  BC w0.2: R60.2 5.67,53.81 C39.1
C40_2: length 3.5
  BC w0.2: C40.2 17.95,49.2 19.01,50.25 R62.2
C51_1: length 4.7
  BC w0.2: C51.1 8.08,30.17 7.77,30.48 R71.2 R70.1
C52_2: length 91.8
  FC w0.2: v1(40.67,42.62) 40.36,42.62 39.6,43.38 PC2.3 40.57,45.11 40.57,46.37 41.27,47.07 43.31,47.07 44.33,48.09 44.33,52.75 43,54.08 D7.2 41.41,54.08 R82.1 ; v1(52.5,40.58) 54.95,40.58 55.45,41.09 IC15.5 55.45,45.8 v1(55.55,45.89)
  IC1 w0.2: v1(40.67,42.62) 42.14,44.09 50.03,44.09 52.5,41.62 v1(52.5,40.58)
  IC2 w0.2: 9.15,38 9.15,38.16 ; 9.15,38 9.15,36.76 v1(9.16,36.77) ; 9.15,38 9.15,39.2 11.94,41.99 20.66,41.99 26.83,48.16 36.2,48.16 40.67,43.69 v1(40.67,42.62)
  BC w0.2: v1(55.55,45.89) 55.55,44.81 D6.1 ; v1(55.55,45.89) 55.55,47.71 C56.1 ; v1(55.55,45.89) 54.19,45.89 C54.1 ; R42.2 51.77,38.52 52.58,39.33 C52.2 52.72,40.37 v1(52.5,40.58)
C70_1: length 6.9
  FC w0.2: C70.1 58.97,6.03 59.66,6.72 60.63,6.72 61.18,7.27 R100.1 61.18,9.99 IC17.4
C70_2: length 15.1
  FC w0.2: DA1.4 58.9,15.91 60.72,14.09 DA1.1 61.91,14.09 62.63,13.37 62.63,6.12 61.79,5.28 60.51,5.28
C72_1: length 48.2
  FC w0.8: v1(58.63,17.13) 58.63,18.1 C72.1
  IC1 w1: IC3.12 32.4,2.63 33.2,1.83 59.17,1.83 59.84,2.5 59.84,15.92 v1(58.63,17.13)
  BC w0.2: R99.2 58.63,17.13 v1(58.63,17.13)
C74_1: length 6.5
  FC w0.2: IC17.5 61.08,11.77 v1(61.67,12.36)
  BC w0.2: R98.1 60.43,8.13 C74.1 61.25,11.18 61.67,11.6 v1(61.67,12.36)
CNP2_2: length 36.3
  FC w0.2: CNP3.3 2.44,48.37 v1(2.42,48.39)
  IC1 w0.2: CNP2.2 6.05,21.63 6.05,23.84 5.11,24.78 5.11,27.16 5.82,27.87 5.82,29.45 5.11,30.16 5.11,35.11 2.42,37.8 v1(2.42,48.39)
CNP2_3: length 7.9
  IC1 w0.2: CNP2.3 3.91,33.97 v1(3.36,34.52)
  BC w0.2: L4.2 3.67,34.21 v1(3.36,34.52)
CNP3_1: length 29.8
  FC w0.2: CNP3.1 6.47,50.42 5.78,51.11 v1(2.12,51.11)
  BC w0.2: v1(2.12,51.11) 1.09,50.08 1.09,29.21 CNP2.4
CNP3_5: length 43.2
  FC w0.2: CNP3.5 4.74,46.37 3.56,45.19 v1(3.56,44.07)
  IC2 w0.2: v1(3.56,44.07) 4.94,45.45 7.47,45.45 8.95,43.97 14.66,43.97 15.47,44.78 15.47,46.62 17.07,48.22 20.76,48.22 22.72,50.18 30.28,50.18 31.22,51.12 v1(31.22,53.93)
  BC w0.2: R78.2 31.64,54.35 v1(31.22,53.93)
CNP5_1: length 70.4
  FC w0.2: CNP5.1 9.5,33.87 9.5,31.17 8.33,30 4.35,30 3.63,30.72 3.63,33.27 4.23,33.87 5.96,33.87 v1(6.34,34.25)
  IC2 w0.2: v1(44.5,54.28) 44.24,54.54 39.53,54.54 37.1,52.11 34.49,52.11 31.56,49.18 23.36,49.18 19.61,45.43 19.61,43.97 18.58,42.94 8.12,42.94 6.17,40.99 6.17,34.42 v1(6.34,34.25)
  BC w0.2: v1(44.5,54.28) 42.53,54.28 42.07,54.74 SW2.3
